# KiCad board jetson-nano-baseboard.kicad_pcb (continued)
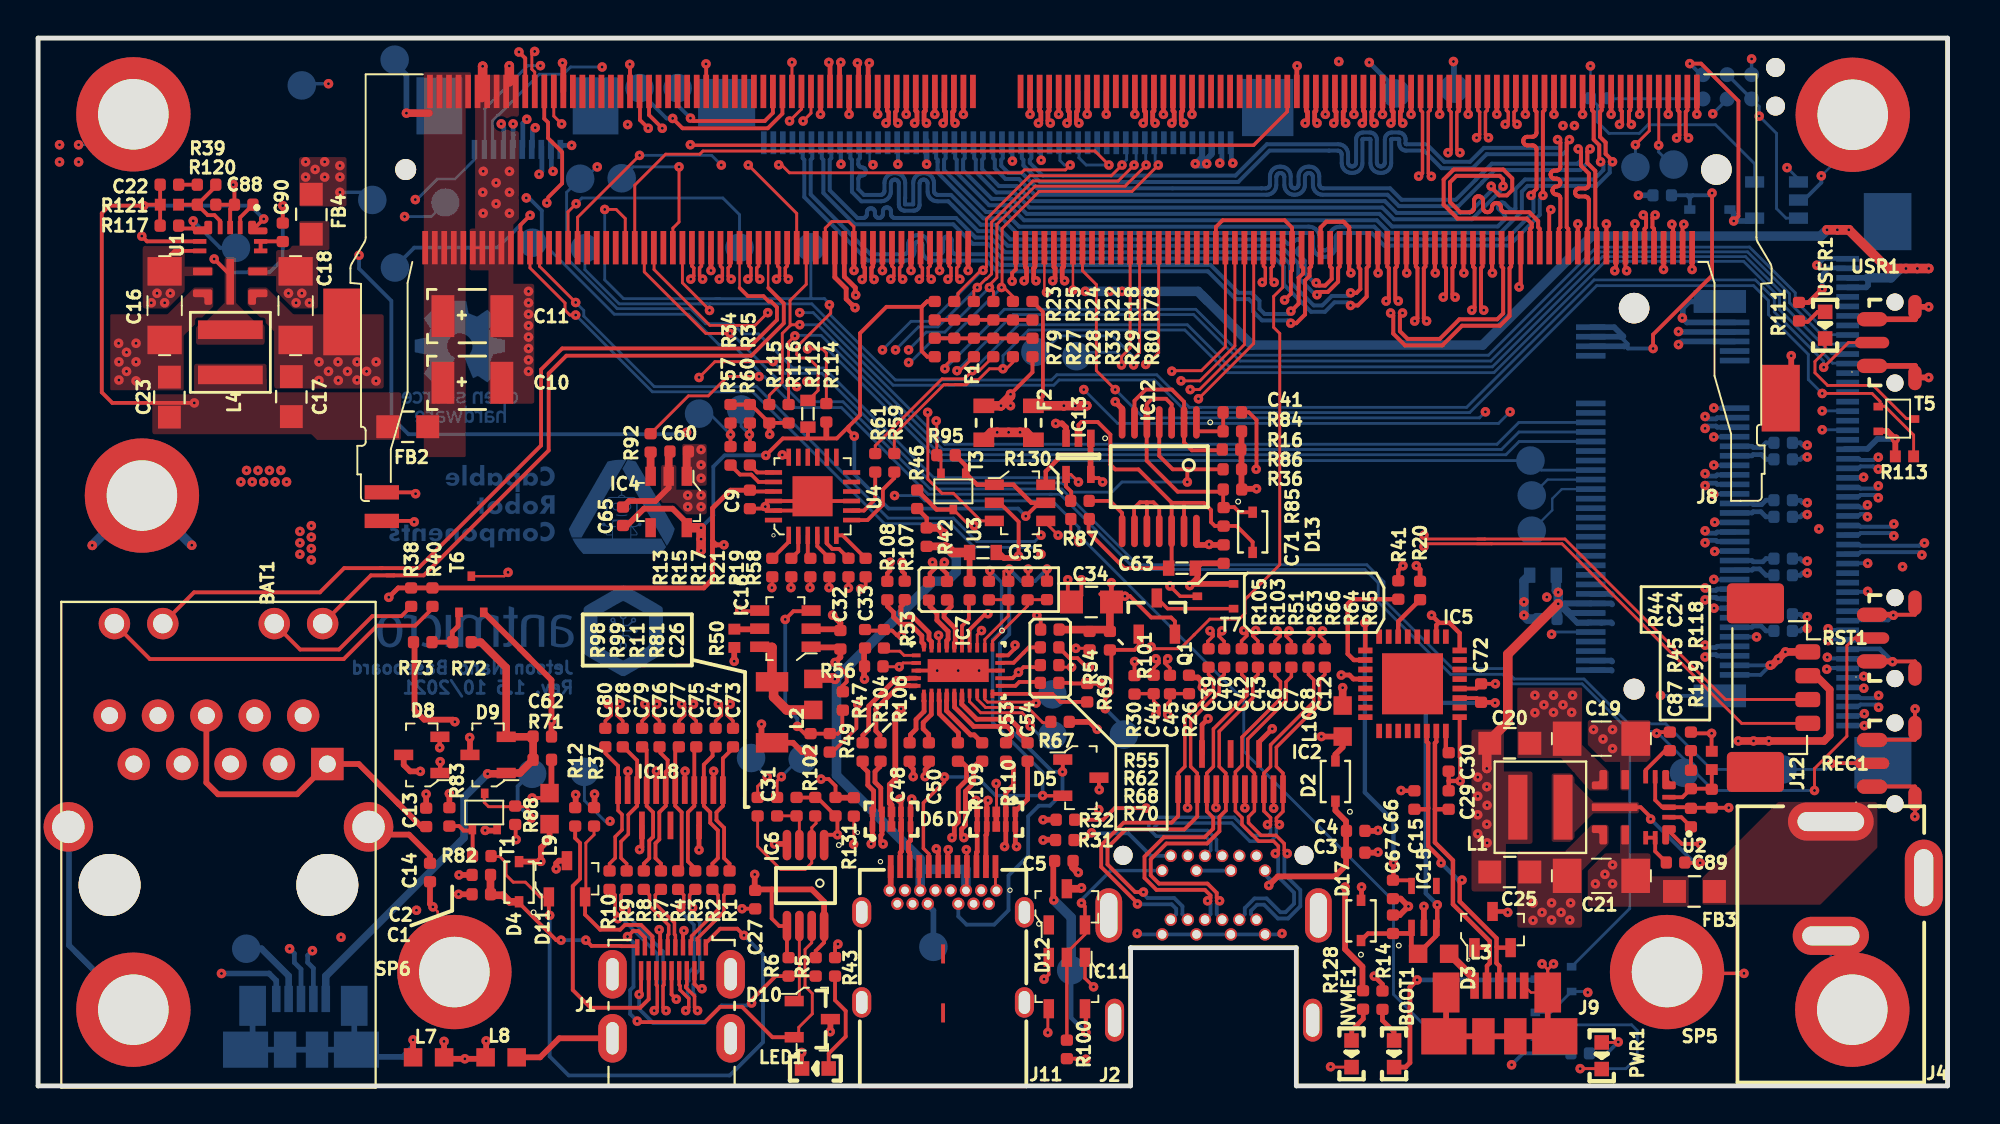
[diagram p0: board, top side]
## Routing (per net, layer and track width the routed paths; a pad name or vN(x,y) marks a point on that pad's centre or on a via; arc(x,y) is an arc through that point) (continued)
/CSI/CSI_G_D1_P: length 37.3
  Top w0.21: v1(65.76,40.67) 65.76,40.66 66.17,41.06 66.17,42.42 66.4,42.65 66.4,42.93 66.32,43.01 M1.84
  Bottom w0.21: v1(65.76,40.67) 65.61,40.52 64.38,40.52 64.11,40.79 64.11,41.21 63.69,41.63 63,41.63 61.54,43.09 50.48,43.09 49.91,43.66 48.18,43.66 48.13,43.66 48.08,43.68 48.04,43.71 48.01,43.74 47.98,43.78 47.96,43.83 47.96,43.88 47.96,44.36 47.95,44.41 47.93,44.46 47.91,44.51 47.87,44.54 47.83,44.57 47.78,44.58 47.73,44.59 47.68,44.58 47.63,44.57 47.59,44.54 47.56,44.51 47.53,44.46 47.51,44.41 47.51,44.36 47.51,43.88 47.5,43.83 47.48,43.78 47.46,43.74 47.42,43.71 47.38,43.68 47.33,43.66 47.28,43.66 46.97,43.66 46.92,43.66 46.88,43.68 46.84,43.7 46.8,43.74 46.78,43.78 46.76,43.82 46.76,43.87 46.76,44.15 46.74,44.26 46.71,44.37 46.64,44.47 46.56,44.55 46.47,44.61 46.36,44.65 46.24,44.66 46.18,44.66 46.07,44.65 45.96,44.61 45.86,44.55 45.78,44.47 45.72,44.37 45.68,44.26 45.67,44.15 45.67,43.87 45.66,43.82 45.65,43.78 45.62,43.74 45.59,43.7 45.55,43.68 45.5,43.66 45.46,43.66 43.69,43.66 40.55,46.79 40.55,48.62 40.64,48.7 40.64,49.42
/Display/DP_CEC: length 7.5
  Top w0.2: v1(58.16,14.58) 56.51,14.58 55.9,13.97 54.4,13.97
  In2_SINGAL.Cu w0.2: v1(58.16,14.58) 58.16,14.26 J2.6
  Bottom w0.2: 60.28,12.15 J2.6
/Display/DP_HPD: length 51.5
  Top w0.15: M1.88 65.33,43.99 65.33,41.92 64.85,41.44 64.85,39.82 65.17,39.5 65.17,27.36 63.5,25.68 63.5,25.67 63.35,25.53 63.35,24.8 63.05,24.5 61.5,24.5 60.68,23.67 59.95,22.95 58.52,22.95 v1(58.42,23.05) ; v1(53,2.8) 53,4 IC11.4
  In2_SINGAL.Cu w0.15: 54.71,12.32 54.71,15.34 56.89,17.53 56.89,22.79 57.02,22.93 58.3,22.93 v1(58.42,23.05) ; 54.71,12.32 54.88,12.15 54.54,12.15 54.52,12.13 ; 54.71,12.32 54.52,12.13 ; v1(53,2.8) 53.64,2.8 54.04,3.21 54.04,11.65 54.52,12.13
/Display/DP_HPD_IN: length 12.8
  Top w0.15: D12.2 54.95,7.95 54,7 IC11.2
  Top w0.18: IC11.2 R100.2 ; v1(54.77,9.6) 54.95,9.42 D12.2
  In2_SINGAL.Cu w0.2: 58.93,11.37 J2.2
  Bottom w0.18: v1(54.77,9.6) 54.77,9.77 56.3,11.3 J2.2
/Display/DP_MODE: length 5.7
  Top w0.2: 54.4,12.92 54.93,12.92 v1(55.29,13.28)
  Bottom w0.2: v1(55.29,13.28) 55.32,13.26 57.22,13.26 58.41,12.08 J2.4
/Display/EDP0_TX_N: length 40.9
  Top w0.18: 62.26,22.94 62.26,23.33 61.98,23.61 61.98,23.72 v1(62.14,23.88) ; M1.39 77.57,51.21 77.47,51.12 77.47,50.63 v1(77.63,50.47)
  In2_SINGAL.Cu w0.125: v1(62.14,23.88) 61.95,24.07 61.95,24.78 65.85,28.68 65.91,28.74 65.91,38.57 66.51,39.17 66.51,46.85 69.42,49.76 72.15,49.76 72.65,50.26 76.58,50.26 76.92,49.93 77.23,49.93 77.63,50.32 v1(77.63,50.47)
/Display/EDP0_TX_P: length 40.9
  Top w0.18: 61.39,22.94 61.39,23.33 61.67,23.61 61.67,23.72 v1(61.51,23.88) ; v1(77.01,50.47) 77.17,50.63 77.17,51.12 77.07,51.21 77.07,52.2
  In2_SINGAL.Cu w0.125: v1(61.51,23.88) 61.7,24.07 61.7,24.88 61.95,25.14 61.97,25.16 61.99,25.19 61.99,25.23 61.99,25.26 61.99,25.29 61.97,25.32 61.95,25.35 61.84,25.46 61.82,25.48 61.81,25.51 61.8,25.55 61.8,25.58 61.81,25.61 61.82,25.64 61.84,25.67 61.87,25.69 61.9,25.7 61.93,25.71 61.97,25.71 62,25.7 62.03,25.69 62.05,25.67 62.16,25.56 62.19,25.54 62.22,25.52 62.25,25.52 62.29,25.52 62.32,25.52 62.35,25.54 62.38,25.56 65.66,28.85 65.66,38.68 66.26,39.28 66.26,46.96 69.33,50.03 72.07,50.03 72.55,50.51 76.97,50.51 v1(77.01,50.47)
/Display/EDP1_TX_N: length 40.8
  Top w0.18: v1(63.91,23.9) 63.75,23.74 63.75,23.63 64.03,23.35 64.03,22.96 ; 76.07,52.2 76.07,51.21 75.97,51.12 75.97,49.93 v1(76.13,49.77)
  In2_SINGAL.Cu w0.125: v1(63.91,23.9) 63.72,24.09 63.72,24.89 67.32,28.48 67.32,34.02 67.33,34.04 67.34,34.07 67.35,34.1 67.37,34.11 67.39,34.13 67.42,34.14 67.45,34.14 67.59,34.14 67.67,34.15 67.75,34.18 67.81,34.22 67.87,34.28 67.91,34.34 67.94,34.42 67.95,34.5 67.95,34.54 67.94,34.62 67.91,34.69 67.87,34.76 67.81,34.82 67.75,34.86 67.67,34.88 67.59,34.89 66.52,34.89 66.49,34.9 66.47,34.9 66.44,34.92 66.42,34.94 66.41,34.96 66.4,34.99 66.4,35.02 66.4,35.04 66.41,35.07 66.42,35.1 66.44,35.11 66.47,35.13 66.49,35.14 66.52,35.14 66.97,35.14 67.05,35.15 67.12,35.18 67.19,35.22 67.25,35.28 67.29,35.34 67.31,35.42 67.32,35.5 67.32,39.52 67.82,40.01 67.82,47.31 69.58,49.08 72.54,49.08 72.98,49.52 75.14,49.52 75.32,49.33 75.69,49.33 76.12,49.77 v1(76.13,49.77)
/Display/EDP1_TX_P: length 40.8
  Top w0.18: 63.17,22.96 63.17,23.35 63.45,23.63 63.45,23.74 v1(63.29,23.9) ; 75.57,52.2 75.57,51.21 75.67,51.12 75.67,49.93 v1(75.51,49.77)
  In2_SINGAL.Cu w0.125: v1(63.29,23.9) 63.47,24.09 63.47,24.99 63.66,25.17 63.68,25.2 63.69,25.23 63.7,25.26 63.7,25.29 63.69,25.33 63.68,25.36 63.66,25.38 63.61,25.43 63.59,25.46 63.57,25.49 63.57,25.52 63.57,25.55 63.57,25.58 63.59,25.62 63.61,25.64 63.64,25.66 63.67,25.68 63.7,25.68 63.73,25.68 63.77,25.68 63.8,25.66 63.82,25.64 63.87,25.6 63.89,25.57 63.92,25.56 63.96,25.55 63.99,25.55 64.02,25.56 64.05,25.57 64.08,25.6 67.07,28.59 67.07,34.04 67.08,34.12 67.11,34.19 67.15,34.26 67.21,34.32 67.27,34.36 67.35,34.38 67.43,34.39 67.57,34.39 67.6,34.4 67.63,34.4 67.65,34.42 67.67,34.44 67.69,34.46 67.69,34.49 67.7,34.52 67.69,34.54 67.69,34.57 67.67,34.6 67.65,34.61 67.63,34.63 67.6,34.64 67.57,34.64 66.5,34.64 66.42,34.65 66.35,34.68 66.28,34.72 66.22,34.78 66.18,34.84 66.16,34.92 66.15,35 66.15,35.04 66.16,35.12 66.18,35.19 66.22,35.26 66.28,35.32 66.35,35.36 66.42,35.38 66.5,35.39 66.95,35.39 66.98,35.4 67,35.4 67.03,35.42 67.05,35.44 67.06,35.46 67.07,35.49 67.07,35.52 67.07,39.62 67.57,40.12 67.57,47.42 69.48,49.33 72.44,49.33 72.88,49.77 v1(75.51,49.77)
/Display/EDP2_TX_N: length 40.9
  Top w0.18: v1(65.67,23.88) 65.51,23.72 65.51,23.61 65.78,23.33 65.78,22.94 ; 74.57,52.2 74.57,51.21 74.47,51.12 74.47,49.14 74.62,48.99 v1(74.63,48.99)
  Top w0.25: 74.57,51.19 74.57,52.2
  In2_SINGAL.Cu w0.125: v1(74.63,48.99) 74.62,48.99 74,48.36 70.51,48.36 68.44,46.3 68.44,39.16 68.43,39.08 68.41,39.01 68.37,38.95 68.32,38.9 68.26,38.86 68.19,38.84 68.11,38.83 67.97,38.83 67.95,38.83 67.93,38.82 67.91,38.81 67.89,38.79 67.88,38.77 67.88,38.75 67.87,38.73 67.87,38.58 67.88,38.55 67.88,38.53 67.89,38.52 67.91,38.5 67.93,38.49 67.95,38.48 67.97,38.48 68.86,38.48 68.95,38.47 69.03,38.44 69.11,38.39 69.17,38.33 69.22,38.25 69.25,38.17 69.26,38.08 69.26,38.03 69.25,37.94 69.22,37.86 69.17,37.78 69.11,37.72 69.03,37.67 68.95,37.64 68.86,37.63 67.97,37.63 67.95,37.63 67.93,37.62 67.91,37.61 67.89,37.59 67.88,37.57 67.88,37.55 67.87,37.53 67.87,37.38 67.88,37.35 67.88,37.33 67.89,37.32 67.91,37.3 67.93,37.29 67.95,37.28 67.97,37.28 68.86,37.28 68.95,37.27 69.03,37.24 69.11,37.19 69.17,37.13 69.22,37.05 69.25,36.97 69.26,36.88 69.26,36.83 69.25,36.74 69.22,36.66 69.17,36.58 69.11,36.52 69.03,36.47 68.95,36.44 68.86,36.43 68.61,36.43 68.58,36.42 68.54,36.41 68.51,36.39 68.48,36.36 68.46,36.33 68.44,36.29 68.44,36.25 68.44,28.01 65.48,25.04 65.48,24.07 v1(65.67,23.88)
/Display/EDP2_TX_P: length 40.9
  Top w0.18: v1(65.04,23.88) 65.2,23.72 65.2,23.61 64.92,23.33 64.92,22.94 ; v1(74.01,48.99) 74.02,48.99 74.17,49.14 74.17,51.12 74.07,51.21 74.07,52.2
  In2_SINGAL.Cu w0.125: v1(74.01,48.99) 73.63,48.61 70.4,48.61 68.19,46.4 68.19,39.18 68.19,39.15 68.18,39.13 68.17,39.12 68.15,39.1 68.14,39.09 68.12,39.08 68.09,39.08 67.95,39.08 67.88,39.07 67.81,39.05 67.75,39.01 67.69,38.96 67.66,38.89 67.63,38.83 67.62,38.75 67.62,38.56 67.63,38.48 67.66,38.41 67.69,38.35 67.75,38.3 67.81,38.26 67.88,38.24 67.95,38.23 68.83,38.23 68.87,38.22 68.91,38.21 68.94,38.19 68.97,38.16 68.99,38.13 69,38.09 69.01,38.05 69,38.02 68.99,37.98 68.97,37.95 68.94,37.92 68.91,37.9 68.87,37.88 68.83,37.88 67.95,37.88 67.88,37.87 67.81,37.85 67.75,37.81 67.69,37.76 67.66,37.69 67.63,37.63 67.62,37.55 67.62,37.36 67.63,37.28 67.66,37.21 67.69,37.15 67.75,37.1 67.81,37.06 67.88,37.04 67.95,37.03 68.83,37.03 68.87,37.02 68.91,37.01 68.94,36.99 68.97,36.96 68.99,36.93 69,36.89 69.01,36.85 69,36.82 68.99,36.78 68.97,36.75 68.94,36.72 68.91,36.7 68.87,36.68 68.83,36.68 68.59,36.68 68.5,36.67 68.42,36.64 68.34,36.59 68.28,36.53 68.23,36.45 68.2,36.37 68.19,36.28 68.19,28.11 66.08,26 66.06,25.98 66.03,25.97 66.01,25.96 65.98,25.96 65.95,25.97 65.93,25.98 65.9,26 65.77,26.14 65.75,26.15 65.72,26.17 65.69,26.17 65.67,26.17 65.64,26.17 65.61,26.15 65.59,26.14 65.58,26.11 65.56,26.09 65.56,26.06 65.56,26.03 65.56,26.01 65.58,25.98 65.59,25.96 65.73,25.82 65.75,25.8 65.76,25.78 65.76,25.75 65.76,25.72 65.76,25.69 65.75,25.67 65.73,25.65 65.71,25.63 65.68,25.62 65.65,25.61 65.63,25.61 65.6,25.62 65.57,25.63 65.55,25.65 65.42,25.78 65.39,25.8 65.37,25.81 65.34,25.82 65.31,25.82 65.29,25.81 65.26,25.8 65.24,25.78 65.22,25.76 65.21,25.74 65.2,25.71 65.2,25.68 65.21,25.65 65.22,25.63 65.24,25.61 65.37,25.47 65.39,25.45 65.4,25.42 65.41,25.4 65.41,25.37 65.4,25.34 65.39,25.32 65.37,25.29 65.23,25.15 65.23,24.07 v1(65.04,23.88)
/Display/EDP3_TX_N: length 40.9
  Top w0.18: M1.57 73.07,51.21 72.97,51.12 72.97,47.9 v1(73.13,47.74) ; v1(67.42,23.88) 67.26,23.72 67.26,23.61 67.54,23.33 67.54,22.94
  In2_SINGAL.Cu w0.125: v1(67.42,23.88) 67.23,24.07 67.23,25.08 69.79,27.64 69.79,28.47 69.8,28.51 69.81,28.54 69.83,28.58 69.86,28.6 69.89,28.62 69.93,28.64 69.97,28.64 70.42,28.64 70.51,28.65 70.59,28.68 70.67,28.73 70.73,28.79 70.78,28.87 70.81,28.95 70.82,29.04 70.82,29.09 70.81,29.18 70.78,29.26 70.73,29.34 70.67,29.4 70.59,29.45 70.51,29.48 70.42,29.49 69.19,29.49 69.15,29.5 69.12,29.51 69.08,29.53 69.05,29.56 69.03,29.59 69.02,29.63 69.02,29.67 69.02,29.71 69.03,29.74 69.05,29.78 69.08,29.8 69.12,29.82 69.15,29.84 69.19,29.84 70.42,29.84 70.51,29.85 70.59,29.88 70.67,29.93 70.73,29.99 70.78,30.07 70.81,30.15 70.82,30.24 70.82,30.29 70.81,30.38 70.78,30.46 70.73,30.54 70.67,30.6 70.59,30.65 70.51,30.68 70.42,30.69 69.19,30.69 69.15,30.7 69.12,30.71 69.08,30.73 69.05,30.76 69.03,30.79 69.02,30.83 69.02,30.87 69.02,30.91 69.03,30.94 69.05,30.98 69.08,31 69.12,31.02 69.15,31.04 69.19,31.04 70.42,31.04 70.51,31.05 70.59,31.08 70.67,31.13 70.73,31.19 70.78,31.27 70.81,31.35 70.82,31.44 70.82,31.49 70.81,31.58 70.78,31.66 70.73,31.74 70.67,31.8 70.59,31.85 70.51,31.88 70.42,31.89 69.97,31.89 69.93,31.9 69.89,31.91 69.86,31.93 69.83,31.96 69.81,31.99 69.8,32.03 69.79,32.07 69.79,45.93 71.35,47.49 72.1,47.49 72.28,47.31 72.32,47.31 72.32,47.31 72.69,47.31 73.12,47.74 v1(73.13,47.74)
/Display/EDP3_TX_P: length 40.9
  Top w0.18: v1(72.46,47.75) 72.5,47.75 72.51,47.74 72.67,47.9 72.67,51.12 72.57,51.21 72.57,52.2 ; v1(66.79,23.88) 66.95,23.72 66.95,23.61 66.67,23.33 66.67,22.94
  In2_SINGAL.Cu w0.125: v1(66.79,23.88) 66.98,24.07 66.98,25.19 67.15,25.35 67.17,25.38 67.18,25.41 67.19,25.44 67.19,25.47 67.18,25.51 67.17,25.54 67.15,25.56 67.13,25.58 67.11,25.6 67.1,25.63 67.09,25.67 67.09,25.7 67.1,25.73 67.11,25.76 67.13,25.79 67.16,25.81 67.19,25.82 67.22,25.83 67.26,25.83 67.29,25.82 67.32,25.81 67.35,25.79 67.36,25.78 67.39,25.75 67.42,25.74 67.45,25.73 67.48,25.73 67.51,25.74 67.54,25.75 67.57,25.78 69.54,27.75 69.54,28.49 69.55,28.58 69.58,28.66 69.63,28.74 69.69,28.8 69.77,28.85 69.85,28.88 69.94,28.89 70.39,28.89 70.43,28.9 70.47,28.91 70.5,28.93 70.53,28.96 70.55,28.99 70.56,29.03 70.57,29.07 70.56,29.11 70.55,29.14 70.53,29.18 70.5,29.2 70.47,29.22 70.43,29.24 70.39,29.24 69.17,29.24 69.08,29.25 68.99,29.28 68.92,29.33 68.85,29.39 68.81,29.47 68.78,29.55 68.77,29.64 68.77,29.69 68.78,29.78 68.81,29.86 68.85,29.94 68.92,30 68.99,30.05 69.08,30.08 69.17,30.09 70.39,30.09 70.43,30.1 70.47,30.11 70.5,30.13 70.53,30.16 70.55,30.19 70.56,30.23 70.57,30.27 70.56,30.31 70.55,30.34 70.53,30.38 70.5,30.4 70.47,30.42 70.43,30.44 70.39,30.44 69.17,30.44 69.08,30.45 68.99,30.48 68.92,30.53 68.85,30.59 68.81,30.67 68.78,30.75 68.77,30.84 68.77,30.89 68.78,30.98 68.81,31.06 68.85,31.14 68.92,31.2 68.99,31.25 69.08,31.28 69.17,31.29 70.39,31.29 70.43,31.3 70.47,31.31 70.5,31.33 70.53,31.36 70.55,31.39 70.56,31.43 70.57,31.47 70.56,31.51 70.55,31.54 70.53,31.58 70.5,31.6 70.47,31.62 70.43,31.64 70.39,31.64 69.94,31.64 69.85,31.65 69.77,31.68 69.69,31.73 69.63,31.79 69.58,31.87 69.55,31.95 69.54,32.04 69.54,46.04 71.25,47.74 72.51,47.74 72.5,47.75 v1(72.46,47.75)
/Display/EDP_AUX_N: length 25.2
  Top w0.18: v1(64.88,42.18) 64.72,42.34 64.72,42.94 64.82,43.03 M1.90 ; 59.41,21.55 59.41,21.93 59.14,22.2 59.14,22.33 59.23,22.42 v1(59.3,22.42)
  In2_SINGAL.Cu w0.125: v1(64.88,42.18) 64.69,41.99 64.69,29.28 59.11,23.69 59.11,22.61 v1(59.3,22.42)
/Display/EDP_AUX_P: length 25.2
  Top w0.18: M1.92 64.32,43.03 64.42,42.94 64.42,42.34 v1(64.26,42.18) ; 58.56,21.55 58.56,21.93 58.83,22.2 58.83,22.33 58.74,22.42 v1(58.67,22.42)
  In2_SINGAL.Cu w0.125: v1(58.67,22.42) 58.86,22.61 58.86,23.8 64.44,29.38 64.44,41.99 v1(64.26,42.18)
/Display/EDP_C_AUX_C_N: length 13.6
  Top w0.18: 60.41,20.59 59.42,20.59 59.41,20.59 59.41,20.2 59.14,19.92 59.14,19.57 59.22,19.48 v1(59.3,19.48)
  In2_SINGAL.Cu w0.125: v1(59.3,19.48) 59.11,19.3 59.11,14.42 59.78,13.75 62.82,13.75 63.63,12.95 63.63,12.4 J2.18
/Display/EDP_C_AUX_C_P: length 13.6
  Top w0.18: 57.55,20.57 57.57,20.59 58.56,20.59 58.56,20.2 58.83,19.92 58.83,19.57 58.74,19.48 v1(58.67,19.48)
  In2_SINGAL.Cu w0.125: v1(58.67,19.48) 58.86,19.3 58.86,14.32 59.68,13.5 62.72,13.5 63.38,12.85 63.38,12.4 J2.16
/Display/ML_C_LANE0_N: length 20.7
  Top w0.18: 62.26,21.98 62.26,21.6 62,21.34 62,20.67 60.5,19.16 60.5,16.76 60.84,16.41 IC2.3
  Top w0.2: v1(58.02,10.17) 57.58,10.17 56.13,11.62 56.13,12.51 57.09,13.47 60.17,13.47 60.84,14.14 IC2.3
  Bottom w0.2: v1(58.02,10.17) 58.02,10.08 58.23,9.86 59.63,9.86 60.07,9.43 60.07,9.01 J2.5
/Display/ML_C_LANE0_P: length 20.1
  Top w0.18: 61.43,21.98 61.43,21.6 61.69,21.34 61.69,20.79 60.19,19.29 60.19,16.76 59.84,16.41 IC2.1
  Top w0.2: IC2.1 59.84,14.17 59.49,13.82 56.98,13.82 55.8,12.64 55.8,11.49 57.72,9.57 57.71,9.55 v1(57.71,9.55)
  Bottom w0.2: v1(57.71,9.55) 57.71,9.55 57.72,9.57 57.76,9.53 59.5,9.53 59.74,9.29 59.74,9.01 J2.3
/Display/ML_C_LANE1_N: length 20.3
  Top w0.18: 64.03,21.98 64.03,21.6 63.76,21.32 63.76,20.37 62,18.61 62,16.76 62.34,16.41 IC2.6
  Top w0.2: v1(62.02,9.72) 61.87,9.87 61.87,10.13 61.38,10.62 58.83,10.62 58.4,11.05 58.4,11.9 59.22,12.72 61.36,12.72 62.01,13.37 62.01,14.12 62.34,14.46 IC2.6
  Bottom w0.2: v1(62.02,9.72) 61.87,9.57 61.87,9.01 J2.11
/Display/ML_C_LANE1_P: length 20.3
  Top w0.18: IC2.4 61.34,16.41 61.69,16.76 61.69,18.74 63.45,20.5 63.45,21.32 63.18,21.6 63.18,21.98
  Top w0.2: IC2.4 61.34,14.75 61.35,14.74 61.35,14.41 61.68,14.08 61.68,13.5 61.23,13.05 59.09,13.05 58.07,12.04 58.07,10.92 58.7,10.29 61.24,10.29 61.54,10 61.54,9.87 v1(61.39,9.72)
  Bottom w0.2: J2.9 61.54,9.01 61.54,9.57 v1(61.39,9.72)
/Display/ML_C_LANE2_N: length 19.4
  Top w0.18: v1(65.57,12.2) 65.41,12.36 65.41,12.72 64.98,13.15 64.19,13.15 63.53,13.81 63.53,14.13 63.84,14.44 IC2.9 63.84,16.41 63.5,16.76 63.5,18.21 65.5,20.22 65.5,21.21 65.78,21.49 65.78,21.98
  Bottom w0.18: 65.42,11.97 65.42,12.05 v1(65.57,12.2)
  Bottom w0.2: J2.17 63.67,9.01 63.67,9.2 63.98,9.51 64.35,9.51 65.07,8.79 65.61,8.79 66.25,9.43 66.25,10.28 65.42,11.11 65.42,11.97
/Display/ML_C_LANE2_P: length 19.4
  Top w0.18: v1(64.94,12.2) 65.1,12.36 65.1,12.59 64.85,12.85 64.07,12.85 63.19,13.72 63.19,14.08 62.84,14.43 IC2.7 62.84,16.48 63.19,16.83 63.19,18.31 65.21,20.33 65.21,21.22 64.92,21.52 64.92,21.98
  Bottom w0.18: v1(64.94,12.2) 65.09,12.05 65.09,11.97
  Bottom w0.2: J2.15 63.34,9.01 63.34,9.33 63.85,9.84 64.48,9.84 65.21,9.12 65.48,9.12 65.93,9.57 65.93,10.14 65.09,10.98 65.09,11.97
/Display/ML_C_LANE3_N: length 21.8
  Top w0.18: v1(65.16,13.71) 65,13.87 65,14.06 65.34,14.41 IC2.12 65.34,16.41 65,16.76 65,17.78 67.26,20.04 67.26,21.32 67.54,21.6 67.54,21.98
  Bottom w0.18: J2.12 61.85,12.37 61.85,12.93 61.38,13.41 58.82,13.41 58.62,13.61 58.81,13.8 62.65,13.8 63.6,12.85 64.71,12.85 65,13.14 65,13.55 v1(65.16,13.71)
/Display/ML_C_LANE3_P: length 21.8
  Top w0.18: 66.68,21.98 66.68,21.6 66.96,21.32 66.96,20.17 64.69,17.9 64.69,16.76 64.34,16.41 IC2.10 64.34,14.43 64.69,14.08 64.69,13.87 v1(64.53,13.71)
  Bottom w0.18: J2.10 61.55,12.37 61.55,12.81 61.25,13.1 58.69,13.1 58.3,13.5 58.3,13.76 58.64,14.1 62.78,14.1 63.73,13.15 64.58,13.15 64.69,13.26 64.69,13.55 v1(64.53,13.71)
/Display/TMDS_C1_CLK_N: length 7.2
  Top w0.18: IC18.12 30.44,14.45 30.65,14.25 30.65,13.44 30.29,13.08 30.29,11.96 29.99,11.67 29.99,11.28
  Top w0.2: IC18.12 30.44,16.79 29.78,17.46 29.78,17.86 29.79,17.88
/Display/TMDS_C1_CLK_P: length 7.4
  Top w0.18: 30.89,11.28 30.89,11.67 30.6,11.96 30.6,12.83 30.98,13.21 30.98,14.23 30.99,14.24
  Top w0.2: 30.75,17.88 30.75,17.77 31.44,17.08 IC18.10 31.44,14.7 30.99,14.24
/Display/TMDS_C1_D0_N: length 7
  Top w0.2: 31.71,17.88 31.94,17.64 IC18.9 31.94,14.7 32.28,14.36 32.28,13.07 32.08,12.87 32.08,11.95 31.79,11.67 31.79,11.28
/Display/TMDS_C1_D0_P: length 7.1
  Top w0.2: 32.67,17.88 32.67,17.48 33.04,17.1 33.04,16.58 32.94,16.48 IC18.7 32.94,14.7 32.61,14.36 32.61,12.94 32.41,12.74 32.41,11.95 32.69,11.67 32.69,11.28
/Display/TMDS_C1_D1_N: length 6.9
  Top w0.2: 33.62,17.88 33.44,17.7 IC18.6 33.44,14.7 33.78,14.36 33.78,11.47 33.59,11.28
/Display/TMDS_C1_D1_P: length 7
  Top w0.2: 34.58,17.88 34.44,17.74 IC18.4 34.44,14.7 34.11,14.36 34.11,11.79 34.49,11.4 34.49,11.28
/Display/TMDS_C1_D2_N: length 7.3
  Top w0.2: 35.39,11.28 35.39,11.67 35.68,11.95 35.68,13.41 35.28,13.81 35.28,14.36 34.94,14.7 IC18.3 34.94,16.86 35.4,17.32 35.4,17.74 35.54,17.88
/Display/TMDS_C1_D2_P: length 7.2
  Top w0.2: 36.29,11.28 36.29,11.67 36.01,11.95 36.01,13.55 35.61,13.95 35.61,14.36 35.94,14.7 IC18.1 35.94,17.19 36.49,17.74 36.49,17.88
/Display/TMDS_CEC: length 56.6
  Top w0.15: v1(60.91,36.07) 63.81,38.97 63.81,43.99 M1.94
  In3_SIGNAL.Cu w0.15: v1(30.02,13.89) 30.02,14.03 30.44,14.45 38.45,14.45 41.2,17.2 41.2,22.25 46.2,27.25 46.2,29.01 49.36,32.17 57.01,32.17 v1(60.91,36.07)
  Bottom w0.15: v1(30.02,13.89) 29.76,13.89 28.67,14.98 TP26.1
/Display/TMDS_CEC_IN: length 9.6
  Top w0.15: 29.18,13.64 29.18,13.18 28.75,12.75 28.75,9.96 D11.2
  Top w0.2: D11.2 28.71,8.99 29.5,8.2 30.55,8.2 30.8,8.45 31.65,8.45 32.25,7.85 J1.15
/Display/TMDS_CLK_C_N: length 9.8
  Top w0.18: v1(30.43,8.78) 30.43,9.01 30.29,9.14 30.29,10.02 R10.2 ; J1.14 32.45,5.3 32.5,5.25 32.5,4.11 v1(32.34,3.95)
  Bottom w0.18: v1(32.34,3.95) 32.5,4.11 32.5,6.94 30.66,8.78 v1(30.43,8.78)
/Display/TMDS_CLK_C_P: length 9.8
  Top w0.18: v1(32.96,3.95) 32.8,4.11 32.8,5.25 32.85,5.3 J1.12 ; R9.2 30.6,10.02 30.6,9.27 30.64,9.22 v1(30.87,9.22)
  Bottom w0.18: v1(30.87,9.22) 30.87,8.99 32.8,7.06 32.8,4.11 v1(32.96,3.95)
/Display/TMDS_CLK_N: length 71.4
  Top w0.18: 29.77,18.76 29.77,19.16 30.08,19.46 30.08,19.88 v1(29.92,20.04)
  Top w0.25: v1(67.13,50.54) 67.01,50.66 67.01,51.12 67.07,51.19 67.07,52.2
  In3_SIGNAL.Cu w0.125: v1(67.13,50.54) 66.94,50.35 66.94,49.43 64.32,46.8 34.43,46.8 30.89,43.26 30.89,28.25 29.46,26.82 29.46,25.28 29.46,25.25 29.47,25.23 29.48,25.2 29.5,25.18 29.53,25.17 29.55,25.16 29.58,25.16 29.85,25.16 29.88,25.15 29.91,25.14 29.93,25.13 29.95,25.11 29.97,25.09 29.98,25.06 29.98,25.03 29.98,25 29.97,24.98 29.95,24.95 29.93,24.93 29.91,24.92 29.88,24.91 29.85,24.91 29.58,24.91 29.55,24.9 29.53,24.89 29.5,24.88 29.48,24.86 29.47,24.84 29.46,24.81 29.46,24.78 29.46,22.2 29.45,22.11 29.42,22.02 29.37,21.95 29.31,21.88 29.23,21.84 29.15,21.81 29.06,21.8 28.89,21.8 28.85,21.79 28.82,21.78 28.78,21.76 28.76,21.73 28.74,21.7 28.72,21.66 28.72,21.62 28.72,21.58 28.74,21.55 28.76,21.51 28.78,21.48 28.82,21.46 28.85,21.45 28.89,21.45 29.8,21.45 29.89,21.44 29.97,21.41 30.05,21.36 30.11,21.3 30.16,21.22 30.19,21.14 30.2,21.05 30.2,21 30.19,20.91 30.16,20.82 30.11,20.75 30.05,20.68 29.97,20.64 29.89,20.61 29.8,20.6 29.63,20.6 29.59,20.59 29.56,20.58 29.52,20.56 29.5,20.53 29.47,20.5 29.46,20.46 29.46,20.42 29.46,19.75 29.71,19.49 29.87,19.49 30.11,19.73 30.11,19.86 v1(29.92,20.04)
/Display/TMDS_CLK_P: length 71.4
  Top w0.18: v1(30.54,20.04) 30.38,19.88 30.38,19.46 30.69,19.16 30.69,18.76
  Top w0.25: v1(66.51,50.54) 66.63,50.66 66.63,51.12 66.57,51.19 66.57,52.2
  In3_SIGNAL.Cu w0.125: v1(30.54,20.04) 30.36,19.86 30.36,19.62 29.97,19.24 29.61,19.24 29.21,19.64 29.21,20.45 29.22,20.54 29.25,20.62 29.29,20.7 29.36,20.76 29.43,20.81 29.52,20.84 29.61,20.85 29.77,20.85 29.81,20.85 29.85,20.86 29.88,20.88 29.91,20.91 29.93,20.95 29.94,20.98 29.95,21.02 29.94,21.06 29.93,21.1 29.91,21.13 29.88,21.16 29.85,21.18 29.81,21.19 29.77,21.2 28.87,21.2 28.78,21.21 28.69,21.24 28.62,21.28 28.56,21.35 28.51,21.42 28.48,21.51 28.47,21.6 28.47,21.65 28.48,21.74 28.51,21.82 28.56,21.9 28.62,21.96 28.69,22.01 28.78,22.04 28.87,22.05 29.03,22.05 29.07,22.05 29.11,22.06 29.14,22.08 29.17,22.11 29.19,22.15 29.2,22.18 29.21,22.22 29.21,26.92 30.64,28.35 30.64,43.36 34.32,47.05 64.21,47.05 66.69,49.53 66.69,50.35 v1(66.51,50.54)
/Display/TMDS_D0_C_N: length 3.6
  Top w0.18: R8.2 32.09,10.02 32.09,9.44 33.1,8.44 33.1,7.96 33.05,7.91 J1.11
/Display/TMDS_D0_C_P: length 3.6
  Top w0.18: R7.2 32.4,10.02 32.4,9.57 33.4,8.56 33.4,7.96 33.45,7.91 J1.9
/Display/TMDS_D0_N: length 71.4
  Top w0.18: 31.7,18.76 31.7,19.16 32.01,19.46 32.01,19.88 v1(31.85,20.04)
  Top w0.25: 68.57,52.2 68.57,51.19 68.51,51.12 68.51,50.66 v1(68.63,50.54)
  In3_SIGNAL.Cu w0.125: v1(31.85,20.04) 32.04,19.86 32.04,19.73 31.8,19.49 31.64,19.49 31.39,19.75 31.39,21.15 31.39,21.18 31.4,21.21 31.42,21.24 31.44,21.27 31.47,21.28 31.5,21.3 31.54,21.3 31.71,21.3 31.79,21.31 31.87,21.34 31.94,21.38 32,21.44 32.05,21.51 32.08,21.59 32.09,21.68 32.09,21.72 32.08,21.81 32.05,21.89 32,21.96 31.94,22.02 31.87,22.06 31.79,22.09 31.71,22.1 30.84,22.1 30.8,22.1 30.77,22.11 30.74,22.13 30.72,22.16 30.7,22.18 30.69,22.22 30.69,22.25 30.69,22.28 30.7,22.31 30.72,22.34 30.74,22.37 30.77,22.38 30.8,22.4 30.84,22.4 31.01,22.4 31.09,22.41 31.17,22.44 31.24,22.48 31.3,22.54 31.35,22.61 31.38,22.69 31.39,22.78 31.39,25.09 31.39,25.12 31.4,25.15 31.41,25.17 31.43,25.19 31.46,25.2 31.48,25.21 31.51,25.22 31.79,25.22 31.81,25.22 31.84,25.23 31.86,25.24 31.88,25.26 31.9,25.29 31.91,25.31 31.91,25.34 31.91,25.37 31.9,25.4 31.88,25.42 31.86,25.44 31.84,25.45 31.81,25.46 31.79,25.47 31.51,25.47 31.48,25.47 31.46,25.48 31.43,25.49 31.41,25.51 31.4,25.54 31.39,25.56 31.39,25.59 31.39,27.46 31.87,27.94 31.87,43.16 34.88,46.18 65.24,46.18 68.44,49.39 68.44,50.35 v1(68.63,50.54)
/Display/TMDS_D0_P: length 71.4
  Top w0.18: v1(32.47,20.04) 32.31,19.88 32.31,19.46 32.62,19.16 32.62,18.76
  Top w0.25: v1(68.01,50.54) 68.13,50.66 68.13,51.12 68.07,51.19 68.07,52.2
  In3_SIGNAL.Cu w0.125: v1(68.01,50.54) 68.19,50.35 68.19,49.49 65.13,46.43 34.77,46.43 31.73,43.39 31.73,43.38 31.62,43.27 31.62,28.05 31.14,27.57 31.14,22.8 31.13,22.77 31.12,22.73 31.1,22.71 31.08,22.68 31.05,22.66 31.02,22.65 30.99,22.65 30.81,22.65 30.73,22.64 30.65,22.61 30.58,22.57 30.52,22.51 30.47,22.44 30.45,22.36 30.44,22.27 30.44,22.23 30.45,22.14 30.47,22.06 30.52,21.99 30.58,21.93 30.65,21.89 30.73,21.86 30.81,21.85 31.69,21.85 31.72,21.85 31.75,21.83 31.78,21.82 31.8,21.79 31.82,21.76 31.83,21.73 31.84,21.7 31.83,21.67 31.82,21.63 31.8,21.61 31.78,21.58 31.75,21.56 31.72,21.55 31.69,21.55 31.51,21.55 31.43,21.54 31.35,21.51 31.28,21.47 31.22,21.41 31.17,21.34 31.15,21.26 31.14,21.17 31.14,19.64 31.54,19.24 31.9,19.24 32.29,19.62 32.29,19.86 v1(32.47,20.04)
/Display/TMDS_D1_C_N: length 9.4
  Top w0.18: v1(33.73,9.35) 33.89,9.51 33.89,10.02 R4.2 ; v1(33.99,3.95) 34.15,4.11 34.15,4.58 33.7,5.04 33.7,5.25 33.65,5.3 J1.8
  Bottom w0.18: v1(33.73,9.35) 33.89,9.19 33.89,8.99 34.42,8.46 34.42,6.22 34.15,5.95 34.15,5.52 34.08,5.45 34.08,4.75 34.15,4.68 34.15,4.11 v1(33.99,3.95)
/Display/TMDS_D1_C_P: length 9.4
  Top w0.18: v1(34.62,3.95) 34.46,4.11 34.46,4.71 34,5.16 34,5.25 34.05,5.3 J1.6 ; R3.2 34.2,10.02 34.2,9.51 v1(34.36,9.35)
  Bottom w0.18: v1(34.36,9.35) 34.2,9.19 34.2,9.12 34.73,8.59 34.73,6.1 34.46,5.82 34.46,5.39 34.38,5.32 34.38,4.88 34.46,4.81 34.46,4.11 v1(34.62,3.95)
/Display/TMDS_D1_N: length 71.4
  Top w0.18: 33.63,18.76 33.63,19.16 33.94,19.46 33.94,19.88 v1(33.78,20.04)
  Top w0.25: v1(70.13,50.54) 70.01,50.66 70.01,51.12 70.07,51.19 70.07,52.2
  In3_SIGNAL.Cu w0.125: v1(70.13,50.54) 69.94,50.35 69.94,48.68 66.85,45.58 35.29,45.58 32.71,43 32.71,27.94 33.32,27.34 33.32,23.69 33.31,23.6 33.28,23.51 33.23,23.44 33.16,23.37 33.09,23.33 33,23.3 32.92,23.29 32.7,23.29 32.66,23.28 32.62,23.27 32.59,23.25 32.56,23.22 32.54,23.19 32.53,23.15 32.52,23.11 32.53,23.07 32.54,23.04 32.56,23 32.59,22.98 32.62,22.95 32.66,22.94 32.7,22.94 32.92,22.94 33,22.93 33.09,22.9 33.16,22.85 33.23,22.79 33.28,22.71 33.31,22.63 33.32,22.54 33.32,21.75 33.32,21.72 33.33,21.7 33.34,21.67 33.36,21.65 33.39,21.64 33.41,21.63 33.44,21.63 33.71,21.63 33.74,21.62 33.77,21.61 33.79,21.6 33.81,21.58 33.83,21.55 33.83,21.53 33.84,21.5 33.83,21.47 33.83,21.45 33.81,21.42 33.79,21.4 33.77,21.39 33.74,21.38 33.71,21.38 33.44,21.38 33.41,21.37 33.39,21.36 33.36,21.35 33.34,21.33 33.33,21.3 33.32,21.28 33.32,21.25 33.32,19.75 33.57,19.49 33.73,19.49 33.96,19.73 33.96,19.86 v1(33.78,20.04)
